# Altium PCB DIO_MCX_mezzanine.PCBDOC (part 2 of 2)
Units mm, origin at the board's own origin, x right, y up, seen from the top; angles counter-clockwise.
Board outline 64 x 100 mm, 4 copper layers (L1, P2, P3, L4), stack 1.571 mm thick; 129 components, 65 nets, 406 pads, 156 vias.
Unrouted connection lines stored in the file: 1.
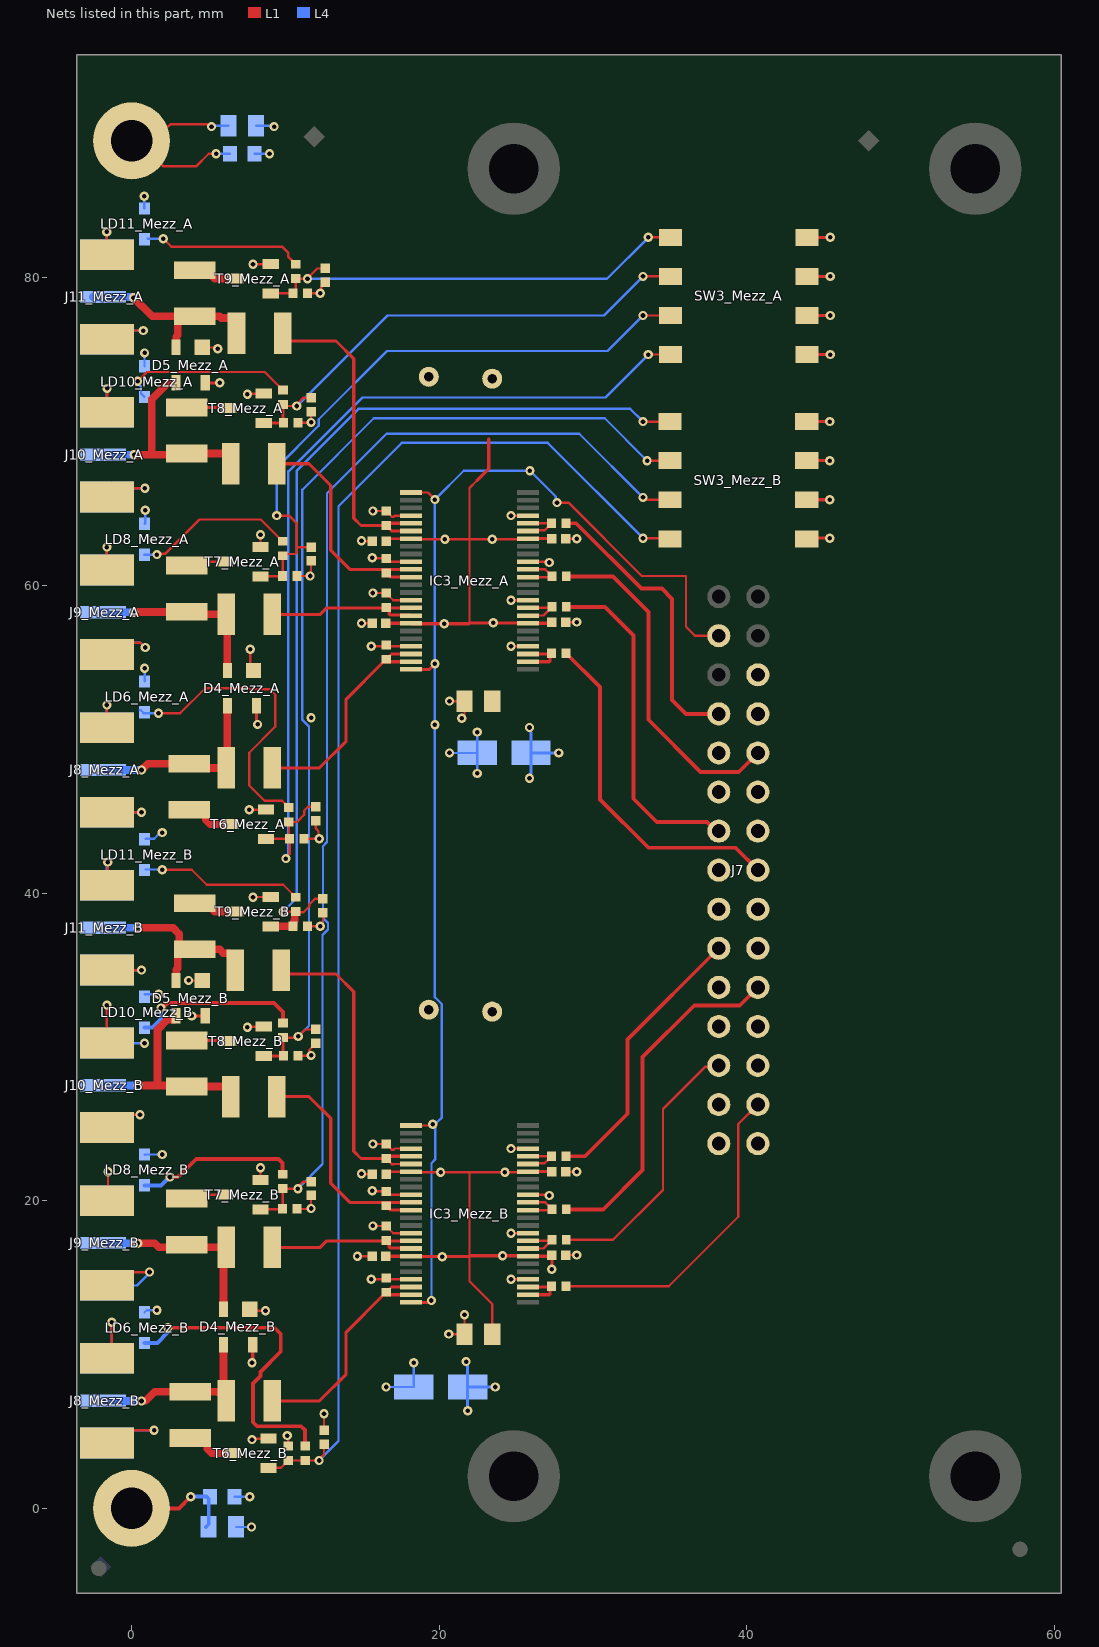
[diagram p4: the nets of this part, all layers, seen from the top]

## Via types
v1: diameter 0.6, hole 0.3, L1 to L4, tented both sides, 152 vias
v2: diameter 0.6, hole 0.3, L1 to L4, 4 vias

## Nets (pads, with @x,y where several pads share a name; then routed paths per layer and width w, separated by ;. In a path a pad name is that pad's centre, name@x,y a point inside that pad or via, vN(x,y) a via of type N, cw(c..) or ccw(c..) an arc to the next point about the centre after c; other vN are vias at no path point) (continued)
GND: B11_Mezz_A.1 B11_Mezz_B.1 C15_Mezz_A.1 C15_Mezz_B.1 C16_Mezz_A.1 C16_Mezz_B.1 C17_Mezz_A.1 C17_Mezz_B.1 C18_Mezz_A.1 C18_Mezz_B.1 C19_Mezz_A.2 C19_Mezz_B.2 C20_Mezz_A.1 C20_Mezz_B.1 C21.2 C22.2 C25_Mezz_A.1 C25_Mezz_B.1 C26_Mezz_A.1 C26_Mezz_B.1 C27_Mezz_A.1 C27_Mezz_B.1 C28_Mezz_A.1 C28_Mezz_B.1 D4_Mezz_A.1 D4_Mezz_B.1 D5_Mezz_A.1 D5_Mezz_B.1 IC3_Mezz_A.4 IC3_Mezz_A.10 IC3_Mezz_A.15 IC3_Mezz_A.21 IC3_Mezz_A.28 IC3_Mezz_A.34 IC3_Mezz_A.39 IC3_Mezz_A.45 IC3_Mezz_B.4 IC3_Mezz_B.10 IC3_Mezz_B.15 IC3_Mezz_B.21 IC3_Mezz_B.28 IC3_Mezz_B.34 IC3_Mezz_B.39 IC3_Mezz_B.45 J7.2 J7.4 J7.5 J7.7 J7.8 J7.10 J7.11 J7.13 J7.14 J7.16 J7.17 J7.19 J7.20 J7.22 J7.23 J8_Mezz_A.2 J8_Mezz_B.2 J9_Mezz_A.2 J9_Mezz_B.2 J10_Mezz_A.2 J10_Mezz_B.2 J11_Mezz_A.2 J11_Mezz_B.2 LD6_Mezz_A.1 LD6_Mezz_B.1 LD8_Mezz_A.1 LD8_Mezz_B.1 LD10_Mezz_A.1 LD10_Mezz_B.1 LD11_Mezz_A.1 LD11_Mezz_B.1 R39_Mezz_A.1 R39_Mezz_B.1 R43_Mezz_A.1 R43_Mezz_B.1 R48_Mezz_A.1 R48_Mezz_B.1 R51_Mezz_A.1 R51_Mezz_B.1 R56_Mezz_A.1 R56_Mezz_B.1 R57_Mezz_A.1 R57_Mezz_B.1 R58_Mezz_A.1 R58_Mezz_B.1 R59_Mezz_A.1 R59_Mezz_B.1 R60.1 R61.1 T6_Mezz_A.2 T6_Mezz_B.2 T7_Mezz_A.2 T7_Mezz_B.2 T8_Mezz_A.2 T8_Mezz_B.2 T9_Mezz_A.2 T9_Mezz_B.2 | length 148.2
  L1 w0.152: v1(-1.609,82.979) -1.606,82.976 J11_Mezz_A.2@-1.606,82.488 ; J10_Mezz_B.2@-1.606,24.738 -0.756,25.588 v1(0.544,25.588) ; J10_Mezz_B.2@-1.606,31.088 v1(-1.606,32.713) ; J11_Mezz_B.2@-1.606,34.988 v1(0.647,34.988) ; J11_Mezz_B.2@-1.606,40.488 -1.549,40.545 v1(-1.549,42.012) ; J8_Mezz_A.2@-1.606,50.75 v1(-1.606,52.222) ; J9_Mezz_A.2@-1.606,61.988 v1(-1.606,62.488) ; J10_Mezz_A.2@-1.606,72.238 -1.592,72.252 v1(-1.592,72.804) ; J11_Mezz_A.2@-1.606,76.924 -1.505,76.823 -0.033,76.823 -0.033,76.667 0.068,76.566 v1(0.763,76.566) ; v1(-1.537,21.888) -1.537,20.838 J9_Mezz_B.2@-1.287,20.838 ; J8_Mezz_A.2@-1.309,45.25 v1(0.647,45.25) ; J8_Mezz_B.2@-1.287,5.081 v1(1.463,5.081) ; J8_Mezz_B.2@-1.287,10.581 v1(-1.287,12.091) ; J9_Mezz_B.2@-1.287,15.338 1.137,15.338 v1(1.163,15.364) ; J10_Mezz_A.2@-1.287,66.674 -0.924,66.311 v1(0.863,66.311) ; J9_Mezz_A.2@-1.173,56.374 -0.308,56.374 -0.206,56.272 0.581,56.272 0.889,55.964 v1(0.894,55.964) ; v2(3.707,34.319) 3.713,34.313 D5_Mezz_B.1@4.594,34.313 ; D5_Mezz_A.1@4.594,75.469 5.513,75.469 v2(5.594,75.388) ; v1(7.527,31.269) 7.575,31.317 T8_Mezz_B.2@8.594,31.317 ; v1(7.527,72.419) 7.575,72.467 T8_Mezz_A.2@8.594,72.467 ; v1(7.644,45.414) 7.653,45.423 T6_Mezz_A.2@8.741,45.423 ; D4_Mezz_B.1@7.677,12.941 7.77,12.848 v2(8.707,12.848) ; v2(7.707,55.848) 7.707,54.691 D4_Mezz_A.1@7.929,54.469 ; v1(7.827,4.467) 7.891,4.531 T6_Mezz_B.2@8.897,4.531 ; v1(7.894,39.728) 7.904,39.738 T9_Mezz_B.2@9.044,39.738 ; v1(7.894,80.878) 7.904,80.888 T9_Mezz_A.2@9.044,80.888 ; T7_Mezz_B.2@8.377,21.338 v1(8.377,22.138) ; T7_Mezz_A.2@8.377,62.488 v1(8.377,63.288) ; v1(10.113,4.73) 10.175,4.668 R56_Mezz_B.1@10.175,4.051 ; R57_Mezz_B.1@10.758,19.461 11.641,19.461 v1(11.668,19.488) C27_Mezz_B.1@11.668,20.339 ; R57_Mezz_A.1@10.758,60.611 v1(11.605,60.611) 11.668,60.674 C27_Mezz_A.1@11.668,61.588 ; R58_Mezz_B.1@10.814,29.417 11.638,29.417 v1(11.668,29.447) 11.582,29.533 11.582,29.73 11.531,29.781 C26_Mezz_B.1@11.982,30.233 ; R58_Mezz_A.1@10.814,70.567 11.638,70.567 v1(11.668,70.597) C26_Mezz_A.1@11.668,71.301 ; R56_Mezz_A.1@11.214,43.523 v1(12.204,43.523) 12.154,43.573 12.154,44.023 11.982,44.194 C28_Mezz_A.1@11.982,44.704 ; R59_Mezz_B.1@11.439,37.838 v1(12.27,37.838) 12.27,37.959 12.441,38.13 C25_Mezz_B.1@12.441,38.726 ; R59_Mezz_A.1@11.439,78.988 v1(12.27,78.988) 12.32,79.038 12.32,79.381 12.352,79.413 12.352,79.47 C25_Mezz_A.1@12.586,79.704 ; v1@11.605,51.329 v1(11.668,51.392) ; C28_Mezz_B.1@12.511,5.076 v1(12.511,6.154) ; v1(14.681,16.388) C18_Mezz_B.1@15.634,16.388 ; v1(14.944,21.749) 14.974,21.719 C15_Mezz_B.1@15.644,21.719 ; v1(14.944,57.538) C18_Mezz_A.1@15.634,57.538 ; v1(14.944,62.899) 14.974,62.869 C15_Mezz_A.1@15.644,62.869 ; v1(15.584,14.898) 15.594,14.888 IC3_Mezz_B.45@18.169,14.888 ; v1(15.584,56.048) 15.594,56.038 IC3_Mezz_A.45@18.169,56.038 ; v1(15.644,20.653) 15.688,20.608 R48_Mezz_B.1@16.554,20.608 16.774,20.388 IC3_Mezz_B.34@18.169,20.388 ; v1(15.644,61.803) 15.688,61.758 R48_Mezz_A.1@16.554,61.758 16.774,61.538 IC3_Mezz_A.34@18.169,61.538 ; v1(15.688,18.358) R43_Mezz_B.1@16.544,18.358 17.014,17.888 IC3_Mezz_B.39@18.169,17.888 ; v1(15.688,23.683) R51_Mezz_B.1@16.554,23.683 16.922,23.314 17.049,23.314 17.123,23.388 IC3_Mezz_B.28@18.169,23.388 ; v1(15.688,59.508) R43_Mezz_A.1@16.544,59.508 17.014,59.038 IC3_Mezz_A.39@18.169,59.038 ; v1(15.688,64.833) R51_Mezz_A.1@16.554,64.833 16.922,64.464 17.049,64.464 17.123,64.538 IC3_Mezz_A.28@18.169,64.538 ; v1@20.626,11.328 C20_Mezz_B.1@21.644,11.328 v1(21.644,12.588) ; v1(20.667,52.478) C20_Mezz_A.1@21.644,52.478 21.644,51.578 21.467,51.4 v1(21.467,51.358) ; v1(24.669,14.888) IC3_Mezz_B.4@25.769,14.888 ; v1(24.669,17.888) IC3_Mezz_B.10@25.769,17.888 ; v1(24.669,23.388) IC3_Mezz_B.21@25.769,23.388 ; v1(24.669,56.038) IC3_Mezz_A.4@25.769,56.038 ; v1(24.669,59.038) IC3_Mezz_A.10@25.769,59.038 ; v1(24.669,64.538) IC3_Mezz_A.21@25.769,64.538 ; IC3_Mezz_B.15@25.769,20.388 27.104,20.388 v1(27.153,20.339) ; IC3_Mezz_A.15@25.769,61.538 27.104,61.538 v1(27.153,61.489) ; C16_Mezz_B.1@28.219,16.464 v1(28.944,16.464) ; C17_Mezz_B.1@28.219,21.888 v1(28.944,21.888) ; C16_Mezz_A.1@28.219,57.614 v1(28.944,57.614) ; C17_Mezz_A.1@28.219,63.038 v1(28.944,63.038)
  L4 w0.152: J8_Mezz_A.2@-1.683,45.25 v1(0.647,45.25) ; v1(-1.609,82.979) -1.606,82.976 J11_Mezz_A.2@-1.606,82.488 ; J8_Mezz_B.2@-1.606,4.231 -0.756,5.081 v1(1.463,5.081) ; J8_Mezz_B.2@-1.606,9.75 -1.287,10.069 v1(-1.287,12.091) ; J9_Mezz_B.2@-1.606,14.488 0.344,14.488 1.163,15.308 v1(1.163,15.364) ; J9_Mezz_B.2@-1.606,19.988 -1.537,20.058 v1(-1.537,21.888) ; J10_Mezz_B.2@-1.606,24.738 -0.756,25.588 v1(0.544,25.588) ; J10_Mezz_B.2@-1.606,30.238 v1(0.836,30.238) ; J11_Mezz_B.2@-1.606,34.988 v1(0.647,34.988) ; J11_Mezz_B.2@-1.606,40.488 -1.606,41.955 v1(-1.549,42.012) ; J8_Mezz_A.2@-1.606,51.738 v1(-1.606,52.222) ; J9_Mezz_A.2@-1.606,56.424 -1.454,56.272 0.581,56.272 0.889,55.964 v1(0.894,55.964) ; J9_Mezz_A.2@-1.606,61.988 v1(-1.606,62.488) ; J10_Mezz_A.2@-1.606,66.674 -1.451,66.519 -0.087,66.519 -0.087,66.467 0.068,66.311 v1(0.863,66.311) ; J10_Mezz_A.2@-1.606,72.238 -1.606,72.79 v1(-1.592,72.804) ; J11_Mezz_A.2@-1.606,76.924 -1.516,76.833 -0.023,76.833 -0.023,76.656 0.068,76.566 v1(0.763,76.566) ; v1(0.824,85.304) 0.824,84.52 LD11_Mezz_A.1@0.844,84.5 ; LD6_Mezz_B.1@0.844,12.75 0.977,12.883 v1(1.644,12.883) ; LD8_Mezz_B.1@0.844,22.974 0.87,23 v1(1.994,23) ; LD10_Mezz_B.1@0.844,33.413 v1(1.769,33.413) ; LD6_Mezz_A.1@0.844,53.75 LD6_Mezz_A.1@0.844,53.75 v1(0.845,54.617) ; LD8_Mezz_A.1@0.844,64 0.894,64.05 v1(0.894,64.888) ; LD10_Mezz_A.1@0.844,74.25 v1(0.844,75.116) ; LD11_Mezz_B.1@0.919,43.532 1.469,43.532 1.771,43.834 1.775,43.834 1.873,43.932 v1(1.994,43.932) ; R60.1@6.694,0.757 v1(7.677,0.757) ; C21.2@6.794,-1.212 v1(7.797,-1.212) ; R61.1@7.994,88.056 v1(8.969,88.056) ; C22.2@8.094,89.876 9.218,89.876 v1(9.266,89.828) ; v1(16.547,7.888) C19_Mezz_B.2@18.347,7.888 v1(18.347,9.462) ; v1(20.667,49.108) C19_Mezz_A.2@22.467,49.108 ; v1(22.467,47.776) C19_Mezz_A.2@22.467,49.108 ; v1(22.467,50.465) C19_Mezz_A.2@22.467,49.108
  other v1: 20.625,11.328
IO1: J7.24 R46_Mezz_A.2 | length 18.9
  L1 w0.254: R46_Mezz_A.2@28.239,64.038 28.885,64.038 33.138,59.785 34.474,59.785 35.131,59.128 35.131,52.556 36.038,51.648 J7.24@38.174,51.648
IO3: J7.21 R44_Mezz_A.2 | length 22.3
  L1 w0.254: R44_Mezz_A.2@28.259,60.588 31.287,60.588 33.595,58.281 33.595,51.267 36.996,47.866 39.471,47.866 J7.21@40.714,49.108
IO5: J7.18 R40_Mezz_A.2 | length 22.2
  L1 w0.254: R40_Mezz_A.2@28.259,58.604 30.772,58.604 32.641,56.735 32.641,46.127 34.141,44.627 37.402,44.627 38.001,44.028 J7.18@38.174,44.028
IO7: J7.15 R37_Mezz_A.2 | length 22.6
  L1 w0.254: R37_Mezz_A.2@28.239,55.588 30.444,53.383 30.444,46.093 33.595,42.943 39.259,42.943 J7.15@40.714,41.488
IO9: J7.12 R46_Mezz_B.2 | length 18.4
  L1 w0.254: R46_Mezz_B.2@28.239,22.888 29.467,22.888 32.233,25.654 32.233,30.467 J7.12@38.174,36.408
IO11: J7.9 R44_Mezz_B.2 | length 22.7
  L1 w0.254: R44_Mezz_B.2@28.259,19.438 30.665,19.438 33.223,21.996 33.223,29.337 36.58,32.694 39.539,32.694 J7.9@40.714,33.868
IO13: J7.6 R40_Mezz_B.2 | length 17.7
  L1 w0.152: R40_Mezz_B.2@28.259,17.454 31.297,17.454 34.544,20.701 34.544,25.959 37.285,28.699 38.085,28.699 J7.6@38.174,28.788
IO15: J7.3 R37_Mezz_B.2 | length 20.9
  L1 w0.152: R37_Mezz_B.2@28.239,14.438 34.922,14.438 39.444,18.96 39.444,24.978 J7.3@40.714,26.248
IOA_Mezz_A: D5_Mezz_A.2 J11_Mezz_A.1 R49_Mezz_A.1 R50_Mezz_A.2 | length 12.8
  L1 w0.5: v1(0.123,78.699) 1.334,77.488 R50_Mezz_A.2@3.144,77.488 ; D5_Mezz_A.2@2.894,75.469 2.894,76.169 2.994,76.269 2.994,77.338 R50_Mezz_A.2@3.144,77.488 ; R49_Mezz_A.1@6.818,76.388 6.818,77.056 6.493,77.381 5.825,77.381 5.718,77.488 R50_Mezz_A.2@4.094,77.488 R50_Mezz_A.2@3.144,77.488
  L4 w0.5: J11_Mezz_A.1@-2.514,78.742 0.053,78.742 0.096,78.699 v1(0.123,78.699)
IOA_Mezz_B: D5_Mezz_B.2 J11_Mezz_B.1 R49_Mezz_B.1 R50_Mezz_B.2 | length 12.8
  L1 w0.5: v1(0.394,37.738) 2.694,37.738 3.101,37.331 3.101,36.663 3.285,36.479 R50_Mezz_B.2@3.426,36.338 ; D5_Mezz_B.2@2.894,34.313 2.894,35.013 2.994,35.113 2.994,36.188 3.144,36.338 R50_Mezz_B.2@3.426,36.338 ; R49_Mezz_B.1@6.818,35.238 6.818,35.681 6.411,36.088 5.968,36.088 5.718,36.338 R50_Mezz_B.2@3.426,36.338
  L4 w0.5: J11_Mezz_B.1@-1.844,37.738 v1(0.394,37.738)
IOB_Mezz_A: D5_Mezz_A.3 J10_Mezz_A.1 R45_Mezz_A.1 R47_Mezz_A.2 | length 14.6
  L1 w0.5: v1(0.163,68.5) 1.248,68.5 ; 1.317,68.569 1.248,68.5 ; 1.317,68.73 1.317,72.09 2.397,73.169 D5_Mezz_A.3@2.894,73.169 ; R47_Mezz_A.2@2.819,68.569 6.119,68.569 6.444,68.244 R45_Mezz_A.1@6.444,67.911 ; R47_Mezz_A.2@2.888,68.5 1.248,68.5
  L4 w0.5: J10_Mezz_A.1@-2.18,68.5 v1(0.163,68.5)
IOB_Mezz_B: D5_Mezz_B.3 J10_Mezz_B.1 R45_Mezz_B.1 R47_Mezz_B.2 | length 14
  L1 w0.5: v1(0.431,27.488) 1.426,27.488 ; 1.513,27.488 3.525,27.488 R47_Mezz_B.2@3.594,27.419 6.119,27.419 6.444,27.094 R45_Mezz_B.1@6.444,26.761 ; 1.685,27.488 1.685,31.122 2.326,31.763 2.844,31.763 2.894,31.813 D5_Mezz_B.3@2.894,32.013
  L4 w0.5: J10_Mezz_B.1@-1.844,27.488 v1(0.431,27.488)
IOC_Mezz_A: D4_Mezz_A.2 J9_Mezz_A.1 R41_Mezz_A.1 R42_Mezz_A.2 | length 11.9
  L1 w0.5: v1(0.144,58.25) 0.163,58.269 3.439,58.269 3.594,58.114 R41_Mezz_A.1@6.144,58.114 6.229,58.03 D4_Mezz_A.2@6.229,54.469
  L4 w0.5: J9_Mezz_A.1@-2.018,58.25 v1(0.144,58.25)
IOC_Mezz_B: D4_Mezz_B.2 J9_Mezz_B.1 R41_Mezz_B.1 R42_Mezz_B.2 | length 12.2
  L1 w0.5: v1(0.394,17.238) 1.497,17.238 1.771,16.964 3.594,16.964 R41_Mezz_B.1@6.144,16.964 5.977,16.797 D4_Mezz_B.2@5.977,12.941
  L4 w0.5: J9_Mezz_B.1@-1.844,17.238 v1(0.394,17.238)
IOD_Mezz_A: D4_Mezz_A.3 J8_Mezz_A.1 R36_Mezz_A.1 R38_Mezz_A.2 | length 12.3
  L1 w0.5: v1(0.644,48) 1.058,48.414 3.451,48.414 3.734,48.131 R36_Mezz_A.1@6.144,48.131 6.229,48.216 D4_Mezz_A.3@6.229,52.169 ; R38_Mezz_A.2@3.594,48.631 R38_Mezz_A.2@3.734,48.631
  L4 w0.5: J8_Mezz_A.1@-1.651,48 v1(0.644,48)
IOD_Mezz_B: D4_Mezz_B.3 J8_Mezz_B.1 R36_Mezz_B.1 R38_Mezz_B.2 | length 12.4
  L1 w0.5: v1(0.644,6.981) 0.663,7 0.927,7 1.497,7.571 3.504,7.571 3.594,7.481 3.72,7.481 R38_Mezz_B.2@3.81,7.571 5.554,7.571 5.563,7.562 5.819,7.562 6.144,7.237 R36_Mezz_B.1@6.144,6.981 5.977,7.148 D4_Mezz_B.3@5.977,10.641
  L4 w0.5: J8_Mezz_B.1@-1.837,6.981 v1(0.644,6.981)
LEDA_Mezz_A: LD6_Mezz_A.2 R52_Mezz_A.2 | length 19.6
  L1 w0.152: v1(1.749,51.683) 3.157,51.683 4.794,53.319 7.635,53.319 7.707,53.248 8.984,53.248 9.34,52.891 9.34,50.821 7.644,49.125 7.644,46.991 8.637,45.999 9.791,45.999 9.997,45.793 9.997,45.773 10.211,45.559 R52_Mezz_A.2@10.231,45.559
  L4 w0.152: LD6_Mezz_A.2@0.534,51.903 0.57,51.903 0.754,51.719 0.754,51.683 v1(1.749,51.683)
LEDA_Mezz_B: LD6_Mezz_B.2 R52_Mezz_B.2 | length 20.7
  L1 w0.254: v1(2.344,11.738) 9.28,11.738 9.695,11.323 9.695,10.191 8.377,8.872 8.377,8.611 7.891,8.125 7.891,5.596 8.153,5.334 11.025,5.334 11.278,5.081 R52_Mezz_B.2@11.278,4.051
  L4 w0.254: LD6_Mezz_B.2@0.844,10.75 1.673,10.75 2.344,11.421 v1(2.344,11.738)
LEDB_Mezz_A: LD8_Mezz_A.2 R53_Mezz_A.2 | length 10.5
  L1 w0.152: v1(1.644,62) 1.71,62.066 2.196,62.066 4.418,64.288 8.399,64.288 R53_Mezz_A.2@9.818,62.869
  L4 w0.152: LD8_Mezz_A.2@0.834,62 v1(1.644,62)
LEDB_Mezz_B: LD8_Mezz_B.2 R53_Mezz_B.2 | length 10.5
  L1 w0.254: v1(2.494,21.538) 3.03,21.538 4.204,22.713 9.552,22.713 9.818,22.447 R53_Mezz_B.2@9.818,21.719
  L4 w0.254: LD8_Mezz_B.2@0.844,21 1.914,21 2.452,21.538 v1(2.494,21.538)
LEDC_Mezz_A: LD10_Mezz_A.2 R54_Mezz_A.2 | length 11.4
  L1 w0.152: v1(0.391,73.265) 0.998,73.873 8.661,73.873 R54_Mezz_A.2@9.844,72.689
  L4 w0.152: v1(0.391,73.265) 0.391,73.144 0.615,72.921 0.615,72.479 LD10_Mezz_A.2@0.844,72.25
LEDC_Mezz_B: LD10_Mezz_B.2 R54_Mezz_B.2 | length 11.1
  L1 w0.254: v1(1.905,32.525) 1.999,32.525 2.336,32.862 9.245,32.862 9.844,32.263 R54_Mezz_B.2@9.844,31.539
  L4 w0.254: LD10_Mezz_B.2@0.844,31.25 1.342,31.25 1.905,31.813 v1(1.905,32.525)
LEDD_Mezz_A: LD11_Mezz_A.2 R55_Mezz_A.2 | length 10.4
  L1 w0.152: v1(2.065,82.532) 2.575,82.022 9.77,82.022 10.194,81.599 10.194,81.352 R55_Mezz_A.2@10.668,80.878
  L4 w0.152: LD11_Mezz_A.2@1.055,82.532 v1(2.065,82.532)
LEDD_Mezz_B: LD11_Mezz_B.2 R55_Mezz_B.2 | length 10.5
  L1 w0.152: v1(1.994,41.515) 3.914,41.515 4.891,40.538 9.858,40.538 R55_Mezz_B.2@10.668,39.728
  L4 w0.152: LD11_Mezz_B.2@0.919,41.532 1.978,41.532 v1(1.994,41.515)
Mezz_Buf_OEn: IC3_Mezz_A.25 IC3_Mezz_A.48 IC3_Mezz_B.25 IC3_Mezz_B.48 J7.28 | length 85
  L1 w0.152: IC3_Mezz_B.25@18.169,24.888 19.672,24.888 v1(19.584,24.976) ; IC3_Mezz_A.25@18.169,66.038 19.269,66.038 19.719,65.588 v1(19.719,65.58) ; v1(19.493,13.512) v1@19.617,13.637 ; v1@19.617,54.787 19.719,54.888 v1(19.719,54.91) ; v1(27.653,65.384) 28.396,65.384 33.168,60.611 36.038,60.611 36.038,57.311 36.621,56.728 J7.28@38.174,56.728
  L1 w0.203: IC3_Mezz_B.48@18.169,13.388 19.369,13.388 v1(19.493,13.512) ; IC3_Mezz_A.48@18.169,54.538 19.369,54.538 v1@19.617,54.787
  L4 w0.152: v1(19.493,13.512) 19.493,22.438 19.732,22.677 19.732,24.828 19.658,24.902 19.658,24.929 19.791,25.062 19.817,25.062 20.172,25.417 20.172,32.767 19.719,33.22 v1(19.719,50.942) v1(19.719,54.91) v1(19.719,65.58) 21.588,67.449 v1(25.894,67.449) 27.585,65.758 27.585,65.452 v1(27.653,65.384)
NetB15_1: B15.1 C21.1 R60.2 | length 7.3
  L1 w0.254: B15.1@0,0 3.087,0 v1(3.844,0.757)
  L4 w0.254: v1(3.844,0.757) 4.87,0.757 5.019,0.608 5.019,-1.037 C21.1@4.844,-1.212
NetB16_1: B16.1 C22.1 R61.2 | length 14.3
  L1 w0.152: v1(5.194,89.828) 5.073,89.828 4.914,89.987 2.543,89.987 2.384,89.828 0.928,89.828 B16.1@0,88.9 0.409,88.9 2.071,87.238 4.194,87.238 5.012,88.056 v1(5.494,88.056)
  L4 w0.152: v1(5.194,89.828) 5.243,89.876 C22.1@6.294,89.876 ; v1(5.494,88.056) R61.2@6.394,88.056
NetIC3_Mezz_A_2: IC3_Mezz_A.2 IC3_Mezz_A.3 R37_Mezz_A.1 | length 3.5
  L1 w0.203: IC3_Mezz_A.2@25.769,55.038 27.153,55.038 27.207,55.092 27.207,55.496 R37_Mezz_A.1@27.249,55.538 ; IC3_Mezz_A.3@25.769,55.538 R37_Mezz_A.1@27.249,55.538 ; R37_Mezz_A.1@27.299,55.588 R37_Mezz_A.1@27.249,55.538
NetIC3_Mezz_A_8: IC3_Mezz_A.8 IC3_Mezz_A.9 R40_Mezz_A.1 | length 3.4
  L1 w0.152: IC3_Mezz_A.8@25.769,58.038 26.773,58.038 27.105,58.371 27.319,58.584 R40_Mezz_A.1@27.319,58.604 27.253,58.538 IC3_Mezz_A.9@25.769,58.538
NetIC3_Mezz_A_13: IC3_Mezz_A.13 IC3_Mezz_A.14 R44_Mezz_A.1 | length 3.3
  L1 w0.152: IC3_Mezz_A.13@25.769,60.538 27.269,60.538 R44_Mezz_A.1@27.319,60.588 27.319,60.608 27.105,60.822 26.889,61.038 IC3_Mezz_A.14@25.769,61.038
NetIC3_Mezz_A_19: IC3_Mezz_A.19 IC3_Mezz_A.20 R46_Mezz_A.1 | length 3.3
  L1 w0.152: IC3_Mezz_A.19@25.769,63.538 25.809,63.578 26.839,63.578 27.065,63.804 27.085,63.804 27.299,64.018 R46_Mezz_A.1@27.299,64.038 IC3_Mezz_A.20@25.769,64.038
NetIC3_Mezz_A_29: IC3_Mezz_A.29 IC3_Mezz_A.30 R49_Mezz_A.2 R51_Mezz_A.2 | length 21.4
  L1 w0.203: R49_Mezz_A.2@9.818,76.388 10.318,75.888 13.293,75.888 14.444,74.737 14.444,64.363 14.914,63.893 R51_Mezz_A.2@16.554,63.893 ; IC3_Mezz_A.30@18.169,63.538 16.908,63.538 16.762,63.684 16.762,63.704 16.574,63.893 R51_Mezz_A.2@16.554,63.893 ; IC3_Mezz_A.29@18.169,64.038 16.7,64.038 R51_Mezz_A.2@16.554,63.893
NetIC3_Mezz_A_35: IC3_Mezz_A.35 IC3_Mezz_A.36 R45_Mezz_A.2 R48_Mezz_A.2 | length 15.8
  L1 w0.203: R45_Mezz_A.2@9.444,67.911 11.531,67.911 12.944,66.498 12.944,62.288 14.194,61.038 IC3_Mezz_A.35@18.169,61.038 ; R48_Mezz_A.2@16.554,60.818 16.574,60.818 16.854,60.538 IC3_Mezz_A.36@18.169,60.538
NetIC3_Mezz_A_40: IC3_Mezz_A.40 IC3_Mezz_A.41 R41_Mezz_A.2 R43_Mezz_A.2 | length 11.2
  L1 w0.203: R41_Mezz_A.2@9.144,58.114 12.27,58.114 12.694,58.538 R43_Mezz_A.2@16.594,58.538 ; R43_Mezz_A.2@16.544,58.568 16.564,58.568 R43_Mezz_A.2@16.594,58.538 ; IC3_Mezz_A.41@18.169,58.038 18.13,58.077 16.804,58.077 16.752,58.128 16.752,58.38 R43_Mezz_A.2@16.594,58.538 ; IC3_Mezz_A.40@18.169,58.538 R43_Mezz_A.2@16.594,58.538
NetIC3_Mezz_A_46: IC3_Mezz_A.46 IC3_Mezz_A.47 R36_Mezz_A.2 R39_Mezz_A.2 | length 15.3
  L1 w0.203: R36_Mezz_A.2@9.144,48.131 12.204,48.131 13.944,49.871 13.944,52.607 16.375,55.038 IC3_Mezz_A.47@18.169,55.038 ; R39_Mezz_A.2@16.554,55.197 16.574,55.197 16.762,55.385 16.762,55.405 16.895,55.538 IC3_Mezz_A.46@18.169,55.538
NetIC3_Mezz_B_2: IC3_Mezz_B.2 IC3_Mezz_B.3 R37_Mezz_B.1 | length 3.5
  L1 w0.203: IC3_Mezz_B.2@25.769,13.888 27.153,13.888 27.207,13.942 27.207,14.346 R37_Mezz_B.1@27.249,14.388 ; IC3_Mezz_B.3@25.769,14.388 R37_Mezz_B.1@27.249,14.388 ; R37_Mezz_B.1@27.299,14.438 R37_Mezz_B.1@27.249,14.388
NetIC3_Mezz_B_8: IC3_Mezz_B.8 IC3_Mezz_B.9 R40_Mezz_B.1 | length 3.4
  L1 w0.152: IC3_Mezz_B.8@25.769,16.888 26.773,16.888 27.105,17.221 27.319,17.434 R40_Mezz_B.1@27.319,17.454 27.253,17.388 IC3_Mezz_B.9@25.769,17.388
NetIC3_Mezz_B_13: IC3_Mezz_B.13 IC3_Mezz_B.14 R44_Mezz_B.1 | length 3.3
  L1 w0.152: IC3_Mezz_B.13@25.769,19.388 27.269,19.388 R44_Mezz_B.1@27.319,19.438 27.319,19.458 27.105,19.672 26.889,19.888 IC3_Mezz_B.14@25.769,19.888
NetIC3_Mezz_B_19: IC3_Mezz_B.19 IC3_Mezz_B.20 R46_Mezz_B.1 | length 3.3
  L1 w0.152: IC3_Mezz_B.19@25.769,22.388 25.809,22.428 26.839,22.428 27.065,22.654 27.085,22.654 27.299,22.868 R46_Mezz_B.1@27.299,22.888 IC3_Mezz_B.20@25.769,22.888
NetIC3_Mezz_B_29: IC3_Mezz_B.29 IC3_Mezz_B.30 R49_Mezz_B.2 R51_Mezz_B.2 | length 21.4
  L1 w0.152: R51_Mezz_B.2@16.554,22.743 16.922,22.374 17.049,22.374 17.063,22.388 IC3_Mezz_B.30@18.169,22.388
  L1 w0.203: R49_Mezz_B.2@9.818,35.238 10.318,34.738 13.293,34.738 14.444,33.587 14.444,23.213 14.914,22.743 R51_Mezz_B.2@16.554,22.743 16.7,22.888 IC3_Mezz_B.29@18.169,22.888
NetIC3_Mezz_B_35: IC3_Mezz_B.35 IC3_Mezz_B.36 R45_Mezz_B.2 R48_Mezz_B.2 | length 15.8
  L1 w0.203: R45_Mezz_B.2@9.444,26.761 11.531,26.761 12.944,25.348 12.944,21.138 14.194,19.888 IC3_Mezz_B.35@18.169,19.888 ; R48_Mezz_B.2@16.554,19.668 16.574,19.668 16.854,19.388 IC3_Mezz_B.36@18.169,19.388
NetIC3_Mezz_B_40: IC3_Mezz_B.40 IC3_Mezz_B.41 R41_Mezz_B.2 R43_Mezz_B.2 | length 11.2
  L1 w0.203: R41_Mezz_B.2@9.144,16.964 12.27,16.964 12.694,17.388 R43_Mezz_B.2@16.594,17.388 ; R43_Mezz_B.2@16.544,17.418 16.564,17.418 R43_Mezz_B.2@16.594,17.388 ; IC3_Mezz_B.41@18.169,16.888 18.13,16.927 16.804,16.927 16.752,16.978 16.752,17.23 R43_Mezz_B.2@16.594,17.388 ; IC3_Mezz_B.40@18.169,17.388 R43_Mezz_B.2@16.594,17.388
NetIC3_Mezz_B_46: IC3_Mezz_B.46 IC3_Mezz_B.47 R36_Mezz_B.2 R39_Mezz_B.2 | length 15.3
  L1 w0.203: R36_Mezz_B.2@9.144,6.981 12.204,6.981 13.944,8.721 13.944,11.457 16.375,13.888 IC3_Mezz_B.47@18.169,13.888 ; R39_Mezz_B.2@16.554,14.047 16.574,14.047 16.762,14.235 16.762,14.255 16.895,14.388 IC3_Mezz_B.46@18.169,14.388
NetR38_Mezz_A_1: R38_Mezz_A.1 T6_Mezz_A.3 | length 3.3
  L1 w0.5: R38_Mezz_A.1@3.734,45.414 4.509,45.414 4.834,45.089 4.834,44.766 5.127,44.473 T6_Mezz_A.3@6.441,44.473
NetR38_Mezz_B_1: R38_Mezz_B.1 T6_Mezz_B.3 | length 3.4
  L1 w0.5: R38_Mezz_B.1@3.81,4.571 4.585,4.571 4.91,4.246 4.91,3.874 5.203,3.581 T6_Mezz_B.3@6.597,3.581
NetR42_Mezz_A_1: R42_Mezz_A.1 T7_Mezz_A.3 | length 2.6
  L1 w0.152: R42_Mezz_A.1@3.594,61.288 3.844,61.538 T7_Mezz_A.3@6.077,61.538
NetR42_Mezz_B_1: R42_Mezz_B.1 T7_Mezz_B.3 | length 2.6
  L1 w0.152: R42_Mezz_B.1@3.594,20.138 3.844,20.388 T7_Mezz_B.3@6.077,20.388
NetR47_Mezz_A_1: R47_Mezz_A.1 T8_Mezz_A.3 | length 2.7
  L1 w0.203: R47_Mezz_A.1@3.594,71.569 6.242,71.569 T8_Mezz_A.3@6.294,71.517
NetR47_Mezz_B_1: R47_Mezz_B.1 T8_Mezz_B.3 | length 2.7
  L1 w0.203: R47_Mezz_B.1@3.594,30.419 6.242,30.419 T8_Mezz_B.3@6.294,30.367
NetR50_Mezz_A_1: R50_Mezz_A.1 T9_Mezz_A.3 | length 2.9
  L1 w0.5: R50_Mezz_A.1@4.094,80.488 4.869,80.488 5.419,79.938 T9_Mezz_A.3@6.744,79.938
NetR50_Mezz_B_1: R50_Mezz_B.1 T9_Mezz_B.3 | length 2.9
  L1 w0.5: R50_Mezz_B.1@4.094,39.338 4.869,39.338 5.419,38.788 T9_Mezz_B.3@6.744,38.788
P3V3: B2_Mezz_A.1 B2_Mezz_B.1 C15_Mezz_A.2 C15_Mezz_B.2 C16_Mezz_A.2 C16_Mezz_B.2 C17_Mezz_A.2 C17_Mezz_B.2 C18_Mezz_A.2 C18_Mezz_B.2 C19_Mezz_A.1 C19_Mezz_B.1 C20_Mezz_A.2 C20_Mezz_B.2 D4_Mezz_A.4 D4_Mezz_B.4 D5_Mezz_A.4 D5_Mezz_B.4 IC3_Mezz_A.7 IC3_Mezz_A.18 IC3_Mezz_A.31 IC3_Mezz_A.42 IC3_Mezz_B.7 IC3_Mezz_B.18 IC3_Mezz_B.31 IC3_Mezz_B.42 J7.1 J7.25 SW3_Mezz_A.1 SW3_Mezz_A.2 SW3_Mezz_A.3 SW3_Mezz_A.4 SW3_Mezz_B.1 SW3_Mezz_B.2 SW3_Mezz_B.3 SW3_Mezz_B.4 | length 94.5
  L1 w0.152: C15_Mezz_B.2@16.544,21.719 16.713,21.888 IC3_Mezz_B.31@18.169,21.888 18.212,21.845 21.969,21.845 ; C15_Mezz_A.2@16.544,62.869 16.713,63.038 IC3_Mezz_A.31@18.169,63.038 18.212,62.995 21.969,62.995 ; 21.94,16.36 21.969,16.388 ; 21.94,57.51 21.969,57.538 21.969,62.995 ; 22.469,66.838 21.969,66.338 21.969,62.995 ; C20_Mezz_B.2@23.444,11.328 23.444,13.288 21.969,14.763 21.969,16.388 ; IC3_Mezz_B.18@25.769,21.888 25.726,21.845 21.969,21.845 ; IC3_Mezz_A.18@25.769,63.038 25.726,62.995 21.969,62.995 ; 21.969,16.388 21.969,21.845
  L1 w0.203: v1(3.914,32.013) D5_Mezz_B.4@4.794,32.013 ; D5_Mezz_A.4@4.794,73.169 v1(5.729,73.169) ; v1(7.827,9.462) 7.877,9.512 D4_Mezz_B.4@7.877,10.641 ; D4_Mezz_A.4@8.129,52.169 8.129,51.028 v1(8.194,50.962) ; C18_Mezz_B.2@16.534,16.388 IC3_Mezz_B.42@18.169,16.388 18.198,16.36 21.94,16.36 ; C18_Mezz_A.2@16.534,57.538 IC3_Mezz_A.42@18.169,57.538 18.198,57.51 21.94,57.51 ; 21.969,16.388 21.998,16.417 25.74,16.417 IC3_Mezz_B.7@25.769,16.388 27.243,16.388 C16_Mezz_B.2@27.319,16.464 v1(27.319,15.538) ; 21.969,57.538 21.998,57.567 25.74,57.567 IC3_Mezz_A.7@25.769,57.538 27.243,57.538 C16_Mezz_A.2@27.319,57.614 ; 22.469,66.838 23.219,67.588 23.219,69.511 ; IC3_Mezz_B.18@25.769,21.888 C17_Mezz_B.2@27.319,21.888 ; IC3_Mezz_A.18@25.769,63.038 C17_Mezz_A.2@27.319,63.038 ; SW3_Mezz_B.1@43.894,63.028 43.937,63.072 v1(45.393,63.072) ; SW3_Mezz_B.2@43.894,65.568 v1(45.393,65.568) ; SW3_Mezz_B.3@43.894,68.108 v1(45.393,68.108) ; SW3_Mezz_B.4@43.894,70.648 v1(45.393,70.648) ; SW3_Mezz_A.1@43.922,75.006 v1(45.42,75.006) ; SW3_Mezz_A.2@43.922,77.546 v1(45.42,77.546) ; SW3_Mezz_A.3@43.922,80.086 v1(45.42,80.086) ; SW3_Mezz_A.4@43.922,82.626 v1(45.42,82.626)
  L4 w0.203: v1(21.747,9.538) 21.823,9.462 21.823,9.245 21.847,9.221 C19_Mezz_B.1@21.847,7.888 ; v1(21.847,6.338) C19_Mezz_B.1@21.847,7.888 ; v1(23.647,7.888) C19_Mezz_B.1@21.847,7.888 ; v1(25.867,47.458) 25.943,47.534 25.943,47.752 25.967,47.776 C19_Mezz_A.1@25.967,49.108 ; v1(25.867,50.758) 25.943,50.682 25.943,50.465 25.967,50.441 C19_Mezz_A.1@25.967,49.108 ; v1(27.767,49.108) C19_Mezz_A.1@25.967,49.108
  other v1: 20.197,16.36 24.121,16.417 20.09,21.845 24.269,21.845 20.319,57.51 23.509,57.567 20.369,62.995 23.444,62.995
TERM_IOA_Mezz_A: C28_Mezz_A.2 R52_Mezz_A.1 R56_Mezz_A.2 SW3_Mezz_A.8 T6_Mezz_A.1 | length 59.6
  L1 w0.152: T6_Mezz_A.1@8.741,43.523 R56_Mezz_A.2@10.274,43.523 ; v1(10.033,42.24) 10.033,42.312 10.274,42.553 R56_Mezz_A.2@10.274,43.523 ; C28_Mezz_A.2@11.982,45.604 11.472,45.604 11.214,45.346 11.214,45.089 10.744,44.619 R52_Mezz_A.1@10.231,44.619 10.231,43.566 R56_Mezz_A.2@10.274,43.523 ; v1(33.595,75.006) SW3_Mezz_A.8@35.022,75.006
  L4 w0.152: v1(10.033,42.24) 10.033,42.361 10.194,42.522 10.194,67.411 15.002,72.219 30.808,72.219 v1(33.595,75.006)
TERM_IOA_Mezz_B: C28_Mezz_B.2 R52_Mezz_B.1 R56_Mezz_B.2 SW3_Mezz_B.8 T6_Mezz_B.1 | length 93.1
  L1 w0.152: T6_Mezz_B.1@8.897,2.631 9.695,2.631 R56_Mezz_B.2@10.175,3.111 R52_Mezz_B.1@11.278,3.111 v1(12.189,3.111) 12.189,3.176 12.511,3.497 C28_Mezz_B.2@12.511,4.176 ; v1(33.244,63.072) 34.951,63.072 SW3_Mezz_B.8@34.994,63.028
  L4 w0.152: v1(12.189,3.111) 13.447,4.369 13.447,65.141 17.574,69.268 27.048,69.268 v1(33.244,63.072)
TERM_IOB_Mezz_A: C27_Mezz_A.2 R53_Mezz_A.1 R57_Mezz_A.2 SW3_Mezz_A.7 T7_Mezz_A.1 | length 41.1
  L1 w0.152: T7_Mezz_A.1@8.377,60.588 9.795,60.588 R57_Mezz_A.2@9.818,60.611 R53_Mezz_A.1@9.818,61.929 9.927,62.038 10.655,62.038 10.744,62.127 10.744,62.488 ; v1(9.444,64.538) 10.231,64.538 10.744,64.025 10.744,62.488 ; C27_Mezz_A.2@11.668,62.488 10.744,62.488 ; v1(33.244,77.546) SW3_Mezz_A.7@35.022,77.546
  L4 w0.152: v1(9.444,64.538) 9.444,67.661 12.171,70.389 12.171,70.796 16.613,75.238 30.936,75.238 v1(33.244,77.546)
TERM_IOB_Mezz_B: C27_Mezz_B.2 R53_Mezz_B.1 R57_Mezz_B.2 SW3_Mezz_B.7 T7_Mezz_B.1 | length 76.8
  L1 w0.152: T7_Mezz_B.1@8.377,19.438 9.795,19.438 R57_Mezz_B.2@9.818,19.461 R53_Mezz_B.1@9.818,20.779 v1(10.814,20.779) 10.814,20.895 11.158,21.239 C27_Mezz_B.2@11.668,21.239 ; v1(33.244,65.718) 33.365,65.718 33.515,65.568 SW3_Mezz_B.7@34.994,65.568
  L4 w0.152: v1(10.814,20.779) 12.415,22.38 12.415,37.271 12.773,37.63 12.773,38.047 12.441,38.379 12.441,43.048 12.707,43.314 12.707,65.993 16.574,69.859 29.103,69.859 v1(33.244,65.718)
TERM_IOC_Mezz_A: C26_Mezz_A.2 R54_Mezz_A.1 R58_Mezz_A.2 SW3_Mezz_A.6 T8_Mezz_A.1 | length 32.4
  L1 w0.152: R54_Mezz_A.1@9.844,71.749 9.932,71.661 v1(10.744,71.661) 10.744,71.766 11.045,72.067 11.045,72.088 11.158,72.201 C26_Mezz_A.2@11.668,72.201 ; v1(33.244,80.086) SW3_Mezz_A.6@35.022,80.086
  L1 w0.203: T8_Mezz_A.1@8.594,70.567 R58_Mezz_A.2@9.874,70.567 9.844,70.597 R54_Mezz_A.1@9.844,71.749
  L4 w0.152: v1(10.744,71.661) 16.629,77.546 30.704,77.546 v1(33.244,80.086)
TERM_IOC_Mezz_B: C26_Mezz_B.2 R54_Mezz_B.1 R58_Mezz_B.2 SW3_Mezz_B.6 T8_Mezz_B.1 | length 67.8
  L1 w0.152: R54_Mezz_B.1@9.844,30.599 10.754,30.599 v1(10.836,30.681) 11.287,31.133 C26_Mezz_B.2@11.982,31.133 ; v1(33.515,68.108) SW3_Mezz_B.6@34.994,68.108
  L1 w0.203: T8_Mezz_B.1@8.594,29.417 R58_Mezz_B.2@9.874,29.417 9.844,29.447 R54_Mezz_B.1@9.844,30.599
  L4 w0.152: v1(10.836,30.681) 11.531,31.376 11.531,50.818 11.102,51.246 11.102,66.221 15.748,70.867 30.756,70.867 v1(33.515,68.108)
TERM_IOD_Mezz_A: C25_Mezz_A.2 R55_Mezz_A.1 R59_Mezz_A.2 SW3_Mezz_A.5 T9_Mezz_A.1 | length 29.4
  L1 w0.152: T9_Mezz_A.1@9.044,78.988 R59_Mezz_A.2@10.499,78.988 10.668,79.157 R55_Mezz_A.1@10.668,79.938 v1(11.439,79.938) 11.439,79.967 12.076,80.604 C25_Mezz_A.2@12.586,80.604 ; v1(33.595,82.626) SW3_Mezz_A.5@35.022,82.626
  L4 w0.152: v1(11.439,79.938) 30.907,79.938 v1(33.595,82.626)
TERM_IOD_Mezz_B: C25_Mezz_B.2 R55_Mezz_B.1 R59_Mezz_B.2 SW3_Mezz_B.5 T9_Mezz_B.1 | length 60.9
  L1 w0.152: v1(9.844,38.788) 10.648,38.788 R55_Mezz_B.1@10.668,38.788 ; R55_Mezz_B.1@10.608,38.748 11.178,38.748 11.554,39.125 11.554,39.249 11.931,39.626 C25_Mezz_B.2@12.441,39.626 ; v1(33.244,70.648) SW3_Mezz_B.5@34.994,70.648
  L1 w0.5: T9_Mezz_B.1@9.044,37.838 R59_Mezz_B.2@10.499,37.838 10.539,37.878 10.539,38.122 10.608,38.191 10.608,38.748 R55_Mezz_B.1@10.648,38.788
  L4 w0.152: v1(9.844,38.788) 10.744,39.688 10.744,67.473 14.746,71.475 32.417,71.475 v1(33.244,70.648)
pads on no net: FTG3.1 FTG4.FTG2 FTG5.1 FTG6.FTG2 FTG7.FTG2 FTG8.1 IC3_Mezz_A.5 IC3_Mezz_A.6 IC3_Mezz_A.11 IC3_Mezz_A.12 IC3_Mezz_A.16 IC3_Mezz_A.17 IC3_Mezz_A.22 IC3_Mezz_A.23 IC3_Mezz_A.26 IC3_Mezz_A.27 IC3_Mezz_A.32 IC3_Mezz_A.33 IC3_Mezz_A.37 IC3_Mezz_A.38 IC3_Mezz_A.43 IC3_Mezz_A.44 IC3_Mezz_B.5 IC3_Mezz_B.6 IC3_Mezz_B.11 IC3_Mezz_B.12 IC3_Mezz_B.16 IC3_Mezz_B.17 IC3_Mezz_B.22 IC3_Mezz_B.23 IC3_Mezz_B.26 IC3_Mezz_B.27 IC3_Mezz_B.32 IC3_Mezz_B.33 IC3_Mezz_B.37 IC3_Mezz_B.38 IC3_Mezz_B.43 IC3_Mezz_B.44 LD6_Mezz_A.3 LD6_Mezz_B.3 LD8_Mezz_A.3 LD8_Mezz_B.3 LD10_Mezz_A.3 LD10_Mezz_B.3 LD11_Mezz_A.3 LD11_Mezz_B.3

## Polygon pours and split planes (outlines as drawn)
no net on L1 "NONET_L-01_P-001" (solid, pour order 4): -3.046,93.978 59.934,93.978 59.934,-5.001 -3.046,-5.001
P3V3 on L1 "NONET_L-01_P-001" (solid, remove dead copper, pour order 2): 22.544,49.834 22.544,53.413 19.269,56.688 19.269,65.811 21.469,68.011 21.469,74.209 22.023,74.763 24.994,74.763 25.42,74.337 25.342,52.632 28.699,49.834 28.679,46.458 25.92,46.458
P3V3 on L1 "NONET_L-01_P-001" (solid, remove dead copper, pour order 0): 20.944,5.571 20.944,13.863 19.269,15.538 19.269,24.661 21.469,26.861 21.469,33.059 22.023,33.613 24.994,33.613 25.894,32.713 25.894,26.586 24.669,25.361 24.669,5.571
no net on L4 "NONET_L-01_P-001" (solid, pour order 6): -3.046,93.978 59.934,93.978 59.934,-5.001 -3.046,-5.001
P3V3 on P3 (split plane): 59.934,-5.001 -3.046,-5.001 -3.046,2.113 -3.046,75.513 -3.046,86.488 -3.046,93.978 59.934,93.978
GND on P2 (split plane): 59.934,-5.001 -3.046,-5.001 -3.046,2.113 -3.046,75.513 -3.046,86.488 -3.046,93.978 59.934,93.978

## Keep-outs
L1:
  lines w0.254: 2.746,-2.114 2.746,-2.696 2.848,-2.797 ; 2.848,0.757 2.848,2.87 ; 2.848,86.05 2.848,86.79 ; 2.848,91.079 2.848,91.491 ; 2.873,88.056 2.873,89.657
L4:
  lines w0.254: 2.848,-2.797 2.848,2.87 ; 2.848,86.05 2.848,91.491
Keep-Out Layer:
  drawing of 8323 lines, arcs and shapes, not listed

## Silkscreen, mask and mechanical layers (free items; w line width, h text height)
Top Overlay:
  drawing of 1239 lines, arcs and shapes, not listed
  text "G" at 5.007,88.31 h1.02
  text "G" at 7.598,84.038 h1.02
  text "TERM IO1" at 45.114,81.229 h1.5
  text "TERM IO3" at 45.114,78.816 h1.5
  text "IO1" at 2.384,76.988 h1.5 r90
  text "TERM IO5" at 45.114,76.378 h1.5
  text "TERM IO7" at 45.114,73.563 h1.5
  text "TERM IO9" at 45.114,69.511 h1.5
  text "TERM IO11" at 44.231,67.118 h1.5
  text "IO3" at 2.007,66.799 h1.5 r90
  text "TERM IO13" at 44.231,64.403 h1.5
  text "TERM IO15" at 44.231,62.1 h1.5
  text "DIR0" at 32.417,58.54 h1
  text "DIR1" at 40.714,58.459 h1
  text "IO5" at 1.998,56.675 h1.5 r90
  text "DIR2" at 40.742,55.909 h1
  text "BUF_ENn" at 28.428,55.818 h1
  text "DIR3" at 32.417,53.413 h1
  text "IO1" at 33.365,51.184 h1
  text "IO3" at 40.592,48.443 h1
  text "IO7" at 2.251,46.085 h1.5 r90
  text "IO5" at 33.074,43.464 h1
  text "IO7" at 40.742,40.513 h1
  text "IO9" at 32.995,35.865 h1
  text "IO9" at 2.319,34.994 h1.5 r90
  text "IO11" at 40.742,33.015 h1
  text "IO13" at 32.641,28.219 h1
  text "IO15" at 40.742,25.408 h1
  text "IO11" at 2.101,24.902 h1.5 r90
  text "IO13" at 2.122,14.67 h1.5 r90
  text "MCX DIO16 / Mezzanine v1.2.1" at 36.17,10.644 h1.5
  text "WUT ISE 2022" at 42.774,8.56 h1.02
  text "IO15" at 2.227,4.051 h1.5 r90
  text "G" at 4.844,1.507 h1.02
Bottom Overlay:
  drawing of 1200 lines, arcs and shapes, not listed
  text "MCX DIO16 / Mezzanine v1.2.1" at 57.046,8.935 h1.5
  text "WUT ISE 2022" at 56.256,6.674 h1.02
Mechanical 1:
  lines w0.1: -3.556,86.488 -3.556,86.488 ; -3.556,86.488 -3.556,75.513 -3.556,2.113 -3.556,0.113 -3.556,-5.512 60.444,-5.512 60.444,94.488 -3.556,94.488 -3.556,86.488
Mechanical 2:
  lines w0.1: -6.1,-19.75 -6.1,102.932
  lines w0.2: -13.532,17.238 -1.856,17.238 ; -11.356,79.738 -1.856,79.738 ; -11.306,59.238 -2.306,59.238 ; -10.806,6.981 -1.856,6.981 ; -10.806,27.488 -1.856,27.488 ; -10.413,48.988 -2.306,48.988 ; -10.056,37.738 -1.856,37.738 ; -9.806,69.488 -1.856,69.488 ; -9.306,11.738 -8.331,11.738 ; -9.306,21.988 -8.331,21.988 ; -9.306,32.238 -8.331,32.238 ; -9.306,42.488 -8.331,42.488 ; -9.306,53.738 -8.331,53.738 ; -9.306,63.988 -8.331,63.988 ; -9.306,74.238 -8.331,74.238 ; -9.306,84.488 -8.331,84.488 ; -8.606,11.063 -8.606,12.638 ; -8.606,11.738 -8.056,11.738 ; -8.606,21.313 -8.606,22.888 ; -8.606,21.988 -8.056,21.988 ; -8.606,31.563 -8.606,33.138 ; -8.606,32.238 -8.056,32.238 ; -8.606,41.813 -8.606,43.388 ; -8.606,42.488 -8.056,42.488 ; -8.606,53.063 -8.606,54.638 ; -8.606,53.738 -8.056,53.738 ; -8.606,63.313 -8.606,64.888 ; -8.606,63.988 -8.056,63.988 ; -8.606,73.563 -8.606,75.138 ; -8.606,74.238 -8.056,74.238 ; -8.606,83.813 -8.606,85.388 ; -8.606,84.488 -8.056,84.488 ; -0.7,0 0.275,0 ; -0.7,88.9 0.275,88.9 ; -0.056,17.238 0.919,17.238 ; -0.056,27.488 0.919,27.488 ; -0.056,37.738 0.919,37.738 ; -0.056,48.988 0.919,48.988 ; -0.056,59.238 0.919,59.238 ; -0.056,69.488 0.919,69.488 ; -0.056,79.738 0.919,79.738 ; -0.049,6.988 0.926,6.988 ; 0,-0.675 0,0.9 ; 0,0 0.55,0 ; 0,88.225 0,89.8 ; 0,88.9 0.55,88.9 ; 0.644,16.563 0.644,18.138 ; 0.644,17.238 1.194,17.238 ; 0.644,26.813 0.644,28.388 ; 0.644,27.488 1.194,27.488 1.194,27.488 ; 0.644,37.063 0.644,38.638 ; 0.644,37.738 1.194,37.738 ; 0.644,48.313 0.644,49.888 ; 0.644,48.988 1.194,48.988 ; 0.644,58.563 0.644,60.138 ; 0.644,59.238 1.194,59.238 1.194,59.238 ; 0.644,68.813 0.644,70.388 ; 0.644,69.488 1.194,69.488 ; 0.644,79.063 0.644,80.638 ; 0.644,79.738 1.194,79.738 ; 0.651,6.313 0.651,7.888 ; 0.651,6.988 1.201,6.988 ; 23.48,17.102 24.455,17.102 ; 24.18,16.427 24.18,18.002 ; 24.18,17.102 24.73,17.102 ; -8.056,11.738 -8.056,11.738 ; -8.056,21.988 -8.056,21.988 ; -8.056,32.238 -8.056,32.238 ; -8.056,42.488 -8.056,42.488 ; -8.056,53.738 -8.056,53.738 ; -8.056,63.988 -8.056,63.988 ; -8.056,74.238 -8.056,74.238 ; -8.056,84.488 -8.056,84.488 ; 0.55,0 0.55,0 ; 0.55,88.9 0.55,88.9 ; 1.194,17.238 1.194,17.238 ; 1.194,48.988 1.194,48.988 ; 1.194,69.488 1.194,69.488 ; 1.194,79.738 1.194,79.738 ; 1.201,6.988 1.201,6.988 ; 24.73,17.102 24.73,17.102
Mechanical 13:
  lines w0.2: -8.606,-19.762 -8.606,92.713

## Text inside footprints (layer, text, board x,y; h text height)
J7: Mechanical 14 "30" at 35.253,58.379 h1.2 r270; Bottom Overlay "30" at 35.253,58.379 h1.2 r270
SW3_Mezz_A: Top Overlay "4" at 42.139,82.245 h1 r90; Top Overlay "3" at 42.139,79.705 h1 r90; Top Overlay "ON" at 37.694,74.117 h1 r90; Top Overlay "2" at 42.139,77.165 h1 r90; Top Overlay "1" at 42.139,74.879 h1 r90; Mechanical 14 "4" at 42.139,82.245 h1 r90; Mechanical 14 "3" at 42.139,79.705 h1 r90; Mechanical 14 "ON" at 37.694,74.117 h1 r90; Mechanical 14 "2" at 42.139,77.165 h1 r90; Mechanical 14 "1" at 42.139,74.879 h1 r90
SW3_Mezz_B: Top Overlay "4" at 42.111,70.267 h1 r90; Top Overlay "3" at 42.111,67.727 h1 r90; Top Overlay "ON" at 37.666,62.139 h1 r90; Top Overlay "2" at 42.111,65.187 h1 r90; Top Overlay "1" at 42.111,62.901 h1 r90; Mechanical 14 "4" at 42.111,70.267 h1 r90; Mechanical 14 "3" at 42.111,67.727 h1 r90; Mechanical 14 "ON" at 37.666,62.139 h1 r90; Mechanical 14 "2" at 42.111,65.187 h1 r90; Mechanical 14 "1" at 42.111,62.901 h1 r90